# KiCad board insequor58top.kicad_pcb
title: insequor58top; rev: v1.0.0; company: Unknown
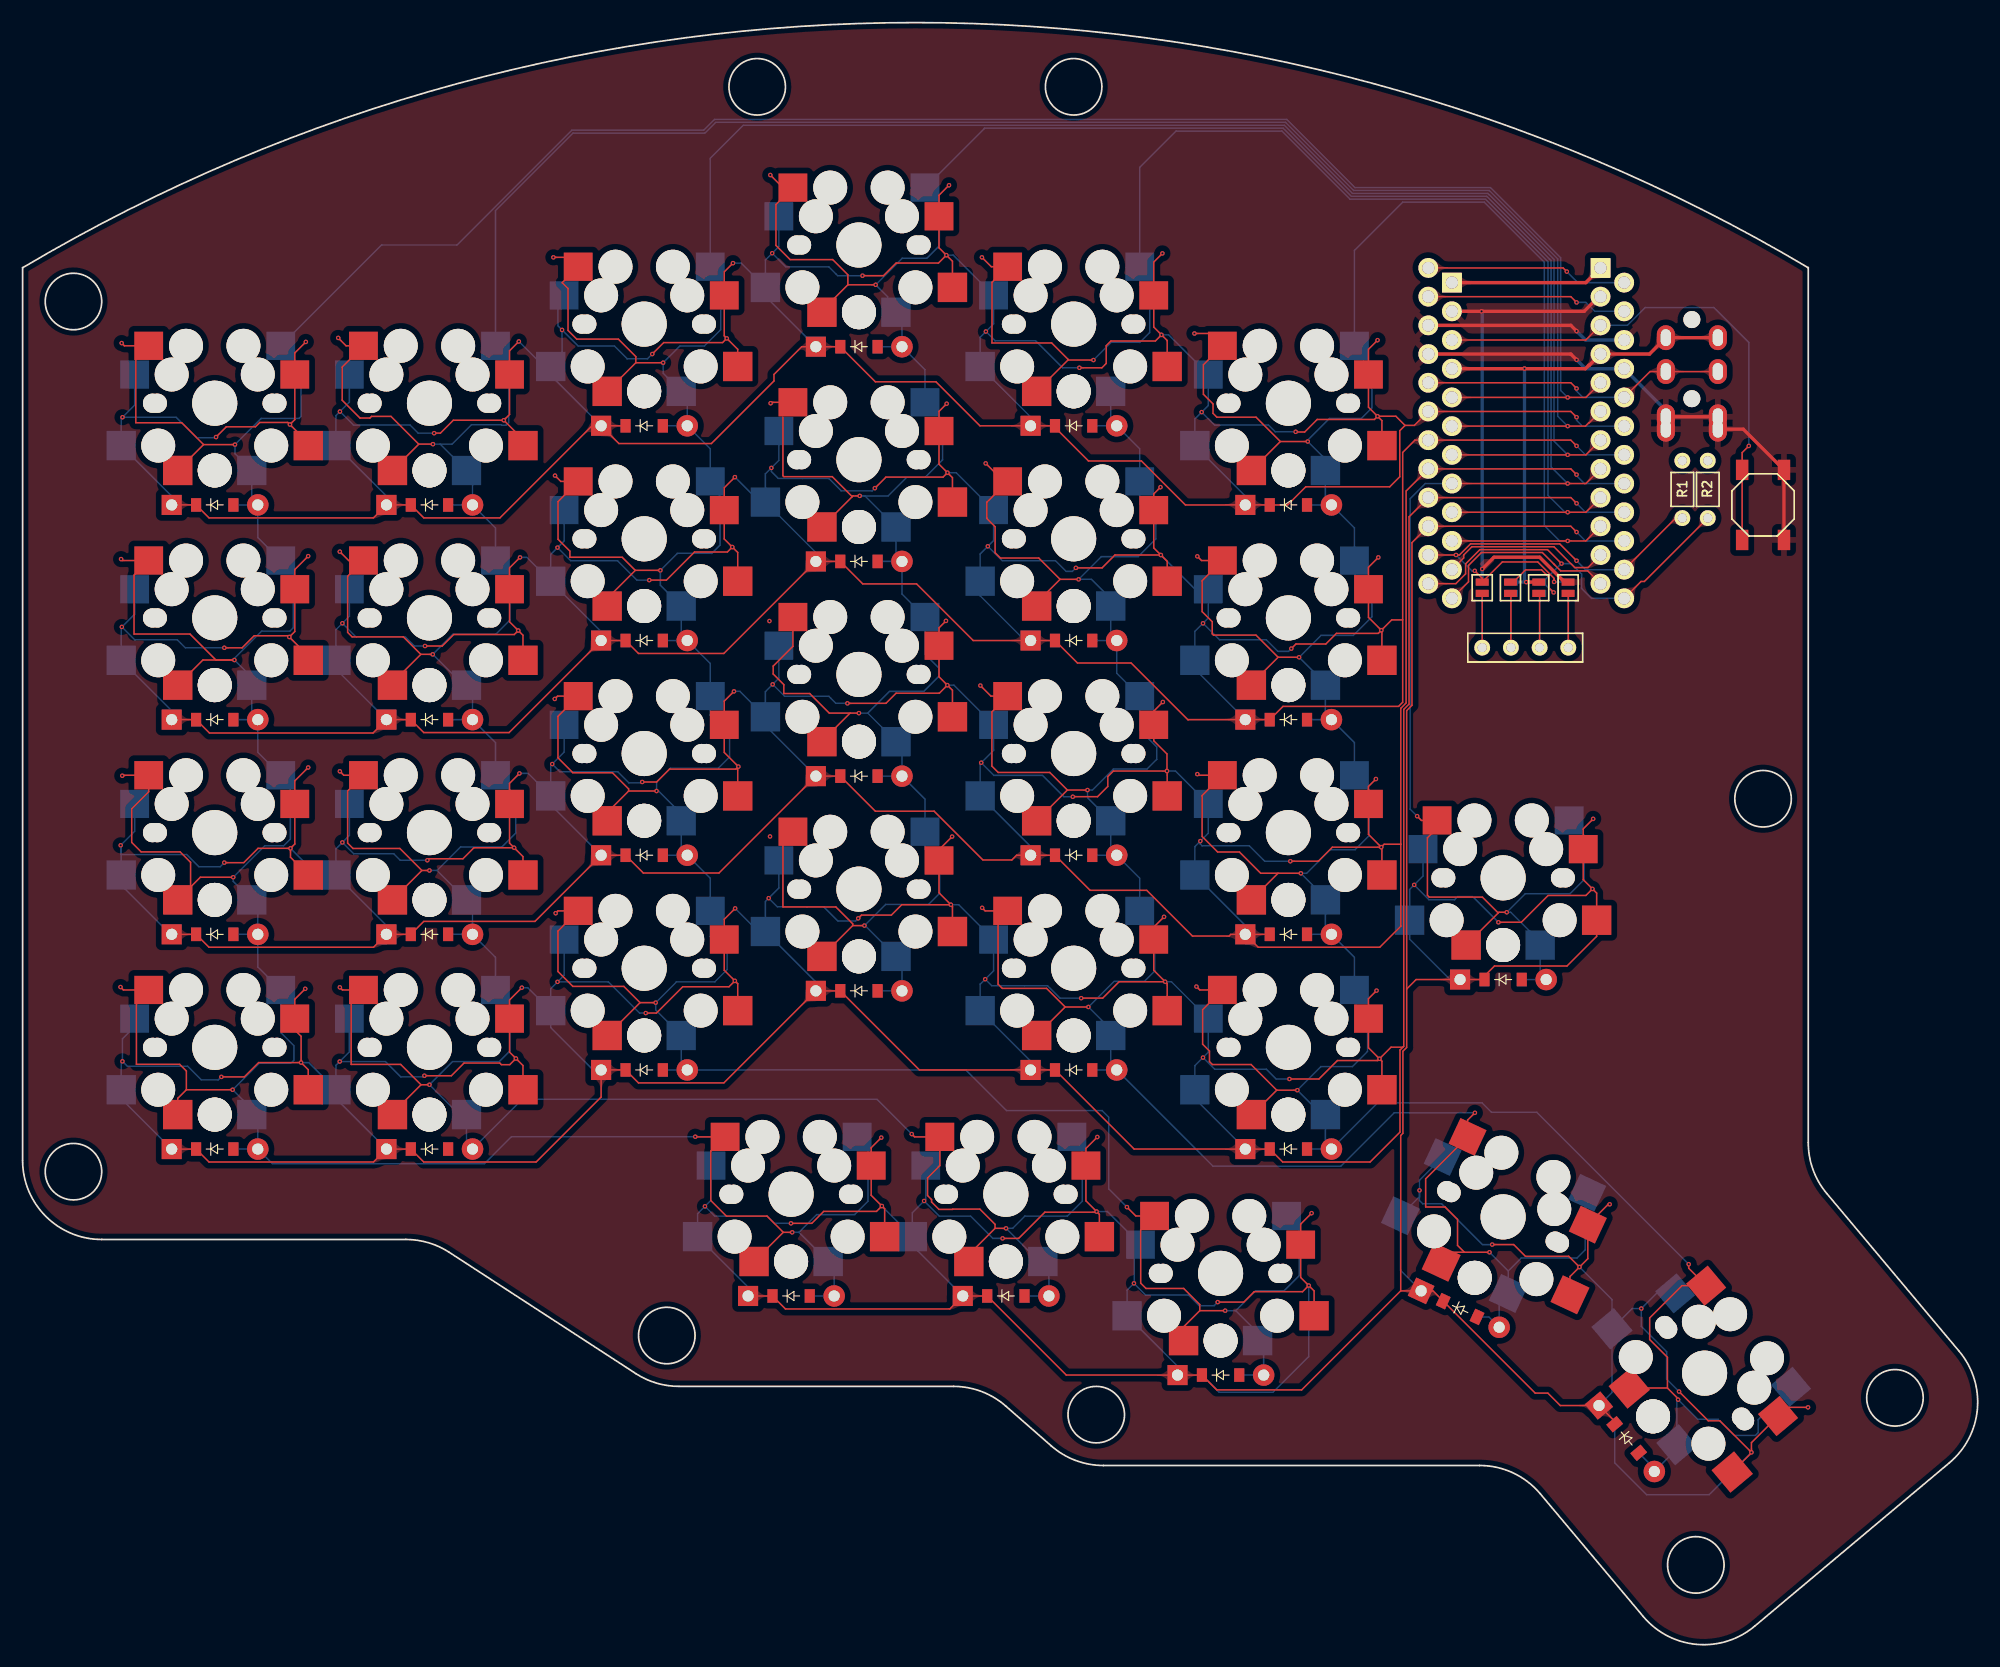
[diagram p0: board, top side]
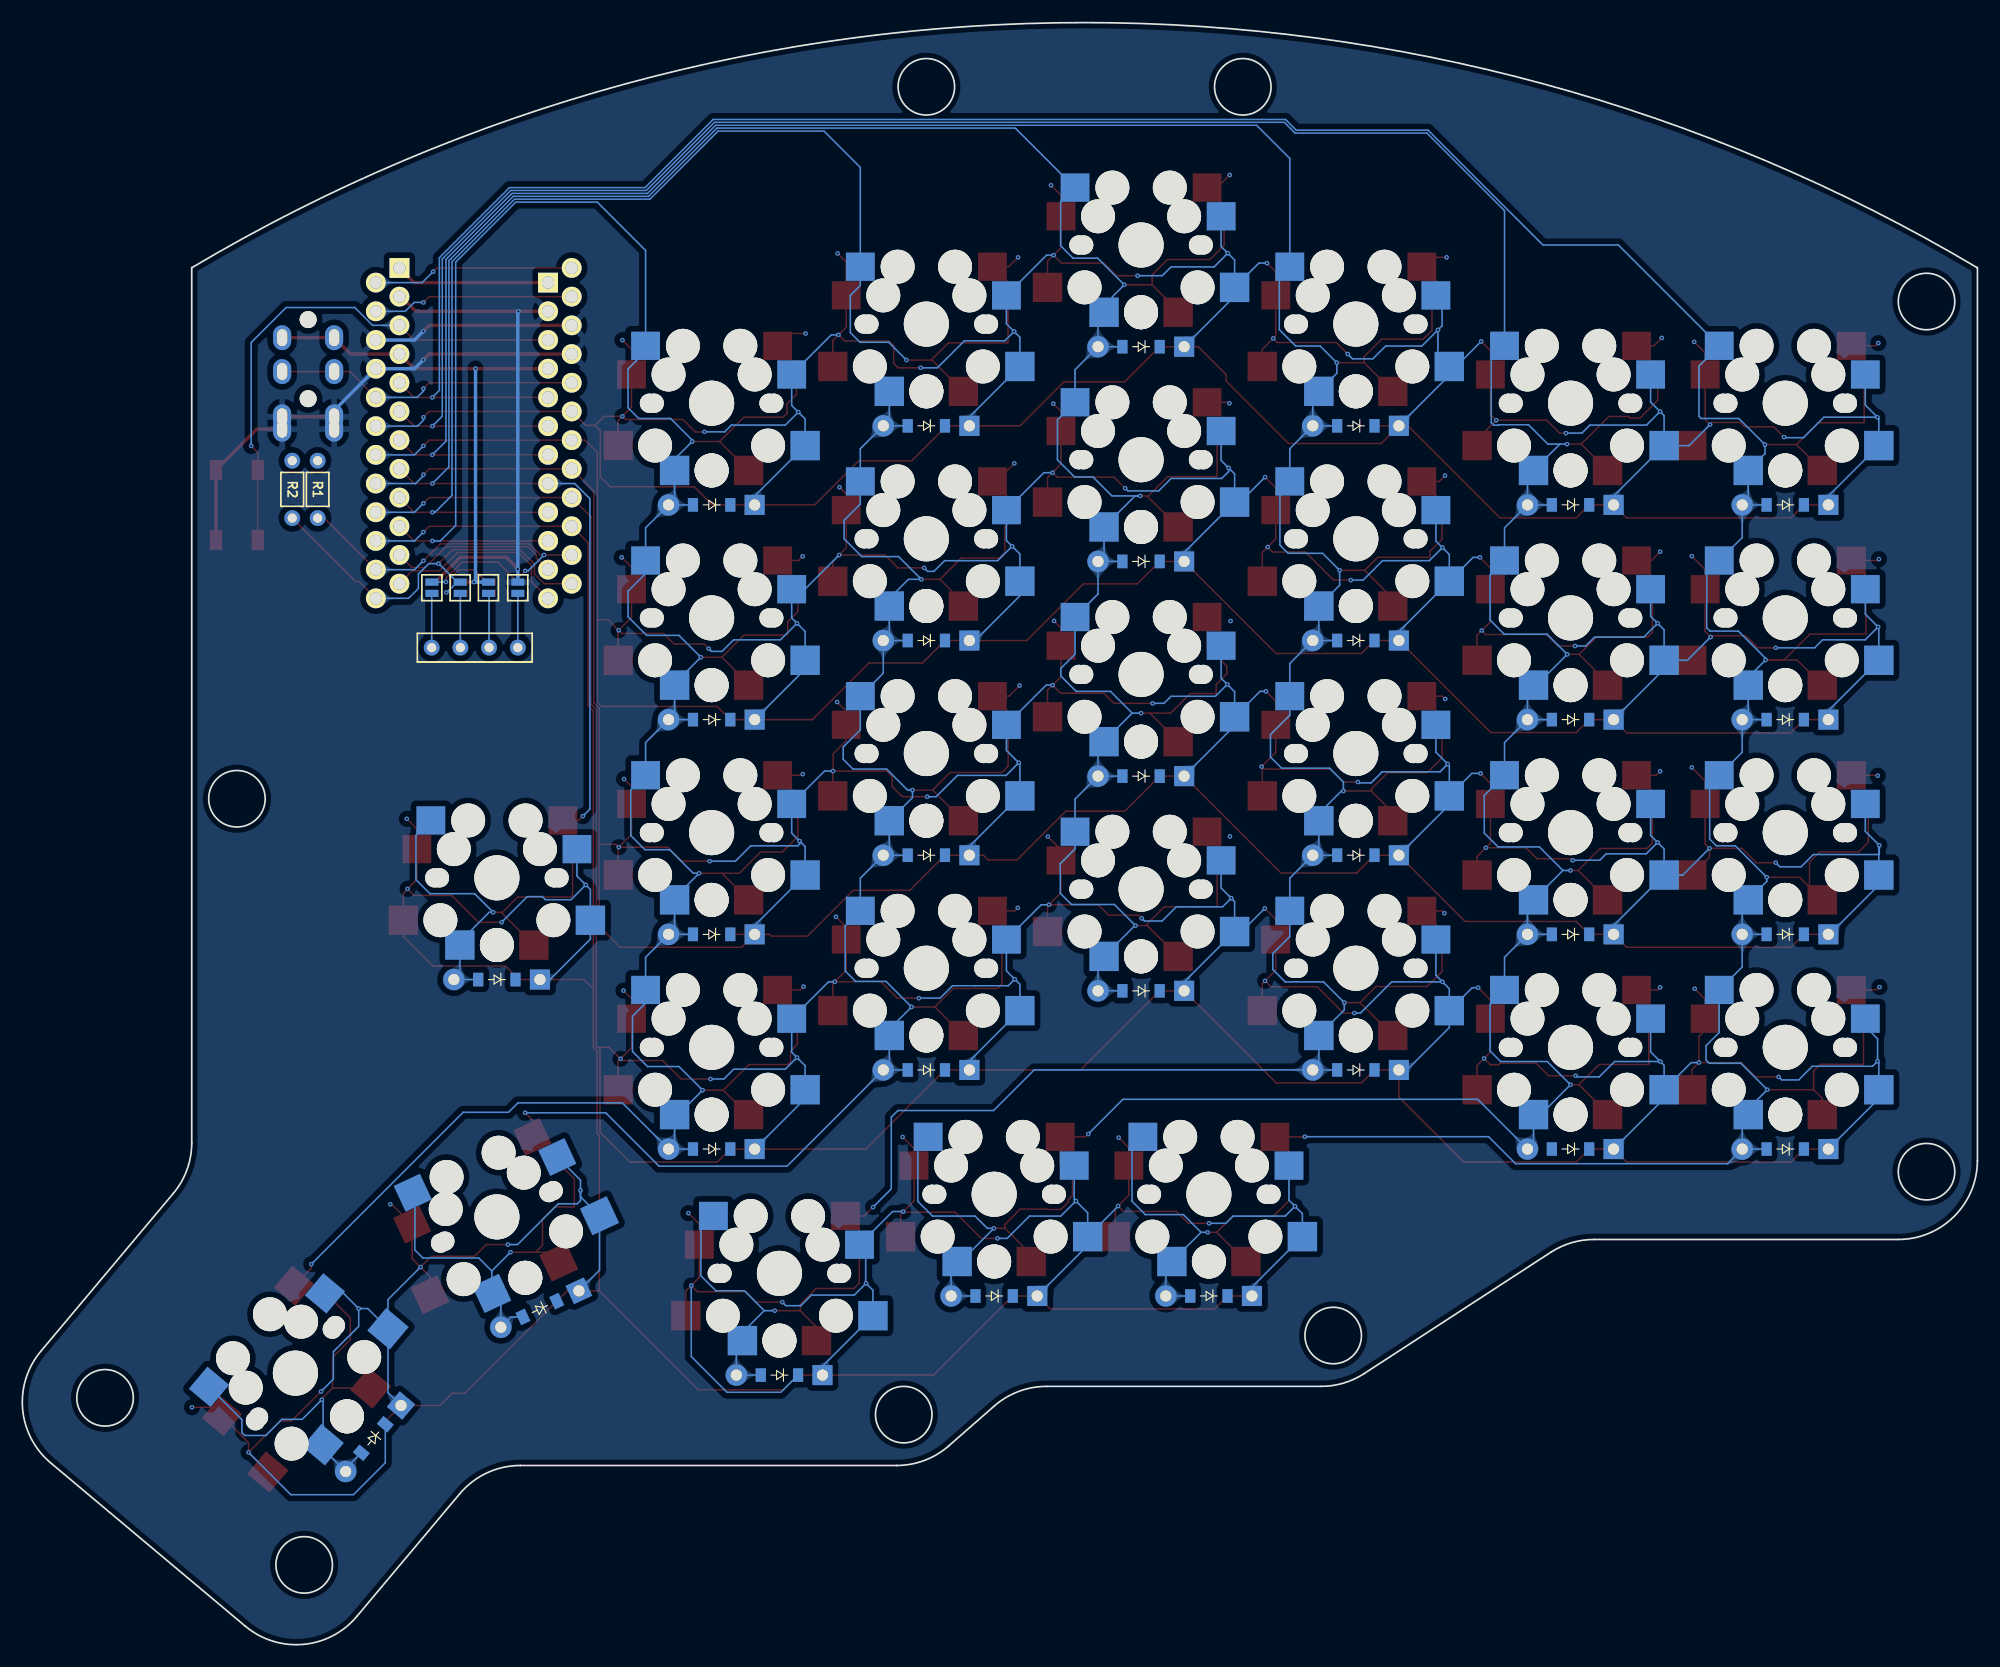
[diagram p1: board, bottom side, seen from below]

Outline 172.96 x 143.51 mm; copper layers: Top, Bottom. Coordinates in mm from the lower left corner of the outline.
Outline path: circle c4.5,118.83 r2.5 ; circle c4.5,41.83 r2.5 ; circle c57,27.33 r2.5 ; circle c65,137.83 r2.5 ; circle c93,137.83 r2.5 ; circle c95,20.33 r2.5 ; circle c148.05,7.03 r2.5 ; circle c154,74.83 r2.5 ; circle c165.67,21.82 r2.5 ; 0,42.83 0,121.83 0.03,121.83 arc(79,143.51) 157.97,121.83 158,121.83 158,44.4 arc(158.42,42) 159.64,39.9 171.35,25.94 arc(172.96,20.83) 170.49,16.07 153.25,1.61 arc(148.15,0) 143.39,2.47 134.28,13.33 arc(131.88,15.18) 128.92,15.83 95.63,15.83 arc(93.17,16.28) 91.02,17.56 86.98,21.1 arc(84.83,22.38) 82.37,22.83 58.08,22.83 arc(56.09,23.12) 54.26,23.96 37.74,34.7 arc(35.91,35.54) 33.92,35.83 7,35.83 arc(2.05,37.88) 0,42.83

## Placement (name value [footprint] x y rotation side)
B1  -  [SW_TACT_ALPS_SKQGABE010]  154 100.83 270 top
D1  -  [ComboDiode]  17 43.83 0 top
D2  -  [ComboDiode]  17 62.83 0 top
D3  -  [ComboDiode]  17 81.83 0 top
D4  -  [ComboDiode]  17 100.83 0 top
D5  -  [ComboDiode]  36 43.83 0 top
D6  -  [ComboDiode]  36 62.83 0 top
D7  -  [ComboDiode]  36 81.83 0 top
D8  -  [ComboDiode]  36 100.83 0 top
D9  -  [ComboDiode]  55 50.83 0 top
D10  -  [ComboDiode]  55 69.83 0 top
D11  -  [ComboDiode]  55 88.83 0 top
D12  -  [ComboDiode]  55 107.83 0 top
D13  -  [ComboDiode]  74 57.83 0 top
D14  -  [ComboDiode]  74 76.83 0 top
D15  -  [ComboDiode]  74 95.83 0 top
D16  -  [ComboDiode]  74 114.83 0 top
D17  -  [ComboDiode]  93 50.83 0 top
D18  -  [ComboDiode]  93 69.83 0 top
D19  -  [ComboDiode]  93 88.83 0 top
D20  -  [ComboDiode]  93 107.83 0 top
D21  -  [ComboDiode]  112 43.83 0 top
D22  -  [ComboDiode]  112 62.83 0 top
D23  -  [ComboDiode]  112 81.83 0 top
D24  -  [ComboDiode]  112 100.83 0 top
D25  -  [ComboDiode]  68 30.83 0 top
D26  -  [ComboDiode]  87 30.83 0 top
D27  -  [ComboDiode]  106 23.83 0 top
D28  -  [ComboDiode]  131 58.83 0 top
D29  -  [ComboDiode]  127.2 29.67 335 top
D30  -  [ComboDiode]  141.93 18.22 310 top
J3  OLED  [OLED_4Pin]  129.15 88.2 0 top
JP1  -  [Jumper]  136.75 93.5 90 top
JP1#2  -  [Jumper]  129.15 93.5 90 bottom
JP2  -  [Jumper]  134.15 93.5 90 top
JP2#2  -  [Jumper]  131.75 93.5 90 bottom
JP3  -  [Jumper]  131.65 93.5 90 top
JP3#2  -  [Jumper]  134.25 93.5 90 bottom
JP4  -  [Jumper]  129.15 93.5 90 top
JP4#2  -  [Jumper]  136.75 93.5 90 bottom
MCU1  -  [ProMicro#2]  132 107.83 270 top
MCU2  -  [ProMicro]  134.09 106.53 270 top
R1  R  [RESISTOR_mini]  146.86 102.21 270 top
R2  R  [RESISTOR_mini]  149.11 102.21 270 top
REF**  -  [TRRS-PJ-320A-dual]  150 118.83 0 top
S1  -  [PG1350]  17 52.83 180 top
S2  -  [MX]  17 52.83 0 top
S3  -  [PG1350]  17 71.83 180 top
S4  -  [MX]  17 71.83 0 top
S5  -  [PG1350]  17 90.83 180 top
S6  -  [MX]  17 90.83 0 top
S7  -  [PG1350]  17 109.83 180 top
S8  -  [MX]  17 109.83 0 top
S9  -  [PG1350]  36 52.83 180 top
S10  -  [MX]  36 52.83 0 top
S11  -  [PG1350]  36 71.83 180 top
S12  -  [MX]  36 71.83 0 top
S13  -  [PG1350]  36 90.83 180 top
S14  -  [MX]  36 90.83 0 top
S15  -  [PG1350]  36 109.83 180 top
S16  -  [MX]  36 109.83 0 top
S17  -  [PG1350]  55 59.83 180 top
S18  -  [MX]  55 59.83 0 top
S19  -  [PG1350]  55 78.83 180 top
S20  -  [MX]  55 78.83 0 top
S21  -  [PG1350]  55 97.83 180 top
S22  -  [MX]  55 97.83 0 top
S23  -  [PG1350]  55 116.83 180 top
S24  -  [MX]  55 116.83 0 top
S25  -  [PG1350]  74 66.83 180 top
S26  -  [MX]  74 66.83 0 top
S27  -  [PG1350]  74 85.83 180 top
S28  -  [MX]  74 85.83 0 top
S29  -  [PG1350]  74 104.83 180 top
S30  -  [MX]  74 104.83 0 top
S31  -  [PG1350]  74 123.83 180 top
S32  -  [MX]  74 123.83 0 top
S33  -  [PG1350]  93 59.83 180 top
S34  -  [MX]  93 59.83 0 top
S35  -  [PG1350]  93 78.83 180 top
S36  -  [MX]  93 78.83 0 top
S37  -  [PG1350]  93 97.83 180 top
S38  -  [MX]  93 97.83 0 top
S39  -  [PG1350]  93 116.83 180 top
S40  -  [MX]  93 116.83 0 top
S41  -  [PG1350]  112 52.83 180 top
S42  -  [MX]  112 52.83 0 top
S43  -  [PG1350]  112 71.83 180 top
S44  -  [MX]  112 71.83 0 top
S45  -  [PG1350]  112 90.83 180 top
S46  -  [MX]  112 90.83 0 top
S47  -  [PG1350]  112 109.83 180 top
S48  -  [MX]  112 109.83 0 top
S49  -  [PG1350]  68 39.83 180 top
S50  -  [MX]  68 39.83 0 top
S51  -  [PG1350]  87 39.83 180 top
S52  -  [MX]  87 39.83 0 top
S53  -  [PG1350]  106 32.83 180 top
S54  -  [MX]  106 32.83 0 top
S55  -  [PG1350]  131 67.83 180 top
S56  -  [MX]  131 67.83 0 top
S57  -  [PG1350]  131 37.83 155 top
S58  -  [MX]  131 37.83 335 top
S59  -  [PG1350#2]  148.83 24 130 top
S60  -  [MX]  148.83 24 310 top

## Footprints (pads in the part's own frame, mm; a bottom-side part is the same pattern mirrored in y, then rotated)
ComboDiode
  rect 0.9x1.2 smd: 1(-1.65,0) 2(1.65,0)
  rect 0.9x1.2 smd far side: 1(-1.65,0) 2(1.65,0)
  round 1.905 hole 0.991: 1(3.81,0)
  rect 1.778x1.778 hole 0.991: 2(-3.81,0)
Jumper
  rect 0.635x1.143 smd: 1(-0.5,0) 2(0.5,0)
MX
  round 1.702 hole 1.702 unplated: (-5.08,0) (5.08,0)
  round 3 hole 3 unplated: (-3.81,2.54) (-2.54,5.08) (2.54,5.08) (3.81,2.54)
  round 3.988 hole 3.988 unplated: (0,0)
  rect 2.55x2.5 smd far side: 1(-7.085,2.54) 2(5.842,5.08)
  rect 2.55x2.5 smd: 1(7.085,2.54) 2(-5.842,5.08)
OLED_4Pin
  round 1.397 hole 0.813: 1(0,0) 2(2.54,0) 3(5.08,0) 4(7.62,0)
PG1350
  round 1.702 hole 1.702 unplated: (-5.5,0) (5.5,0)
  round 3 hole 3 unplated: (-5,3.75) (0,5.95) (0,5.95) (5,3.75)
  round 3.429 hole 3.429 unplated: (0,0)
  rect 2.6x2.6 smd far side: 1(-3.275,5.95) 2(8.275,3.75)
  rect 2.6x2.6 smd: 1(3.275,5.95) 2(-8.275,3.75)
PG1350#2
  round 1.702 hole 1.702 unplated: (-5.5,0) (5.5,0)
  round 3 hole 3 unplated: (-5,3.75) (0,5.95) (0,5.95) (5,3.75)
  round 3.429 hole 3.429 unplated: (0,0)
  rect 2.6x2.6 smd far side: 1(-3.275,5.95) 2(8.275,3.75)
  rect 2.6x2.6 smd: 1(3.275,5.95) 2(-8.275,3.75)
ProMicro
  rect 1.753x1.753 hole 1.092: 1(-13.97,-7.62)
  round 1.753 hole 1.092: 2(-11.43,-7.62) 3(-8.89,-7.62) 4(-6.35,-7.62) 5(-3.81,-7.62) 6(-1.27,-7.62) 7(1.27,-7.62) 8(3.81,-7.62) 9(6.35,-7.62) 10(8.89,-7.62) 11(11.43,-7.62) 12(13.97,-7.62) 13(-13.97,7.62) 14(-11.43,7.62) 15(-8.89,7.62) 16(-6.35,7.62) 17(-3.81,7.62) 18(-1.27,7.62) 19(1.27,7.62) 20(3.81,7.62) 21(6.35,7.62) 22(8.89,7.62) 23(11.43,7.62) 24(13.97,7.62)
ProMicro#2
  rect 1.753x1.753 hole 1.092: 1(-13.97,7.62)
  round 1.753 hole 1.092: 2(-11.43,7.62) 3(-8.89,7.62) 4(-6.35,7.62) 5(-3.81,7.62) 6(-1.27,7.62) 7(1.27,7.62) 8(3.81,7.62) 9(6.35,7.62) 10(8.89,7.62) 11(11.43,7.62) 12(13.97,7.62) 13(-13.97,-7.62) 14(-11.43,-7.62) 15(-8.89,-7.62) 16(-6.35,-7.62) 17(-3.81,-7.62) 18(-1.27,-7.62) 19(1.27,-7.62) 20(3.81,-7.62) 21(6.35,-7.62) 22(8.89,-7.62) 23(11.43,-7.62) 24(13.97,-7.62)
RESISTOR_mini
  round 1.397 hole 0.813: 1(-2.54,0) 2(2.54,0)
SW_TACT_ALPS_SKQGABE010
  rect 1.8x1.1 smd: 1(-3.1,1.85) 1(3.1,1.85) 2(-3.1,-1.85) 2(3.1,-1.85)
TRRS-PJ-320A-dual
  round 1.5 hole 1.5 unplated: (-2.3,-1.6) (-2.3,-8.6)
  oval 1.6x2.2 hole 0.9x1.5: 1(-4.6,-11.3) 1(0,-11.3) 2(-4.6,-10.2) 2(0,-10.2) 3(-4.6,-6.2) 3(0,-6.2) 4(-4.6,-3.2) 4(0,-3.2)

## Nets
GND: B1.1 JP1.2 JP1#2.2 MCU1.2 MCU1.15 MCU1.16 MCU2.2 MCU2.15 MCU2.16 REF**.1 REF**.2
VCC: JP2.2 JP2#2.2 MCU1.4 MCU2.4 R1.1 R2.1 REF**.4
P0: MCU1.14 MCU2.14
P1: MCU1.13 MCU2.13
P2: MCU1.17 MCU2.17 REF**.3
P3: MCU1.18 MCU2.18 S7.2 S8.1 S15.2 S16.1 S23.2 S24.1 S31.2 S32.1 S39.2 S40.1 S47.2 S48.1
P4: MCU1.19 MCU2.19 S5.2 S6.1 S13.2 S14.1 S21.2 S22.1 S29.2 S30.1 S37.2 S38.1 S45.2 S46.1
P5: MCU1.20 MCU2.20 S3.2 S4.1 S11.2 S12.1 S19.2 S20.1 S27.2 S28.1 S35.2 S36.1 S43.2 S44.1
P6: MCU1.21 MCU2.21 S1.2 S2.1 S9.2 S10.1 S17.2 S18.1 S25.2 S26.1 S33.2 S34.1 S41.2 S42.1
P7: MCU1.22 MCU2.22 S49.2 S50.1 S51.2 S52.1 S53.2 S54.1 S55.2 S56.1 S57.2 S58.1 S59.2 S60.1
P8: JP4.2 JP4#2.2 MCU1.23 MCU2.23 R1.2
P9: JP3.2 JP3#2.2 MCU1.24 MCU2.24 R2.2
P10: MCU1.12 MCU2.12
P14: MCU1.10 MCU2.10 S41.1 S42.2 S43.1 S44.2 S45.1 S46.2 S47.1 S48.2 S59.1 S60.2
P14|P3: D24.1 D24.2
P14|P4: D23.1 D23.2
P14|P5: D22.1 D22.2
P14|P6: D21.1 D21.2
P14|P7: D30.1 D30.2
P15: MCU1.9 MCU2.9 S33.1 S34.2 S35.1 S36.2 S37.1 S38.2 S39.1 S40.2 S57.1 S58.2
P15|P3: D20.1 D20.2
P15|P4: D19.1 D19.2
P15|P5: D18.1 D18.2
P15|P6: D17.1 D17.2
P15|P7: D29.1 D29.2
P16: MCU1.11 MCU2.11
P18: MCU1.8 MCU2.8 S25.1 S26.2 S27.1 S28.2 S29.1 S30.2 S31.1 S32.2 S55.1 S56.2
P18|P3: D16.1 D16.2
P18|P4: D15.1 D15.2
P18|P5: D14.1 D14.2
P18|P6: D13.1 D13.2
P18|P7: D28.1 D28.2
P19: MCU1.7 MCU2.7 S17.1 S18.2 S19.1 S20.2 S21.1 S22.2 S23.1 S24.2 S53.1 S54.2
P19|P3: D12.1 D12.2
P19|P4: D11.1 D11.2
P19|P5: D10.1 D10.2
P19|P6: D9.1 D9.2
P19|P7: D27.1 D27.2
P20: MCU1.6 MCU2.6 S9.1 S10.2 S11.1 S12.2 S13.1 S14.2 S15.1 S16.2 S51.1 S52.2
P20|P3: D8.1 D8.2
P20|P4: D7.1 D7.2
P20|P5: D6.1 D6.2
P20|P6: D5.1 D5.2
P20|P7: D26.1 D26.2
P21: MCU1.5 MCU2.5 S1.1 S2.2 S3.1 S4.2 S5.1 S6.2 S7.1 S8.2 S49.1 S50.2
P21|P3: D4.1 D4.2
P21|P4: D3.1 D3.2
P21|P5: D2.1 D2.2
P21|P6: D1.1 D1.2
P21|P7: D25.1 D25.2
RAW: MCU1.1 MCU2.1
RST: B1.2 MCU1.3 MCU2.3

Pads without a net: J3 1 2 3 4; JP1 1; JP1#2 1; JP2 1; JP2#2 1; JP3 1; JP3#2 1; JP4 1; JP4#2 1

## Via types
v1: diameter 0.4, hole 0.2, Top to Bottom, 207 vias

## Routing (per net, layer and track width the routed paths; a pad name or vN(x,y) marks a point on that pad's centre or on a via; arc(x,y) is an arc through that point)
GND: length 106.3
  Top w0.3: REF**.1 152.25,107.53 B1.1 B1.1 ; REF**.2 REF**.2 ; JP1.2 136.43,94 134.23,96.2 130.19,96.2 v1(129.15,95.16) ; MCU1.2 139.47,119.26 138.17,117.96 v1(129.09,117.96) MCU2.2 ; v1(137.5,116.21) 136.99,116.72 MCU1.15 ; v1(137.5,113.67) 136.99,114.18 MCU1.16
  Bottom w0.3: REF**.2 145.4,109.19 MCU2.16 138.29,112.88 v1(137.5,113.67) ; JP1#2.2 v1(129.15,95.16) 129.15,117.91 v1(129.09,117.96) ; MCU2.15 138.29,115.42 v1(137.5,116.21)
VCC: length 46
  Top w0.3: REF**.4 REF**.4 143.95,114.18 MCU1.4 138.63,113.19 138.59,113.19 138.28,112.88 MCU2.4 ; JP2.2 133.04,94 v1(133.04,94)
  Bottom w0.3: v1(132.89,112.9) 132.89,94.15 v1(133.04,94) 133.04,94 JP2#2.2
(no net): length 38.5
  Top w0.13: JP1.1 136.77,92.98 J3.4 ; JP2.1 134.23,92.92 J3.3 ; J3.1 JP4.1 ; J3.2 131.69,92.96 JP3.1
  Bottom w0.13: JP2#2.1 131.69,92.94 J3.2 ; J3.4 136.77,92.98 JP1.1 ; J3.1 JP4.1 ; J3.3 134.23,92.98 JP3#2.1
P0: length 17.9
  Top w0.13: MCU1.14 136.99,119.26 v1(137.5,118.75)
  Bottom w0.13: MCU2.14 139.11,117.96 138.32,118.75 v1(137.5,118.75)
P1: length 17.9
  Top w0.13: v1(136.64,121.48) 136.31,121.8 MCU1.13
  Bottom w0.13: MCU2.13 137.61,120.5 v1(136.64,121.48)
P2: length 27.2
  Top w0.13: REF**.3 REF**.3 144,112.63 MCU2.17 ; v1(137.5,111.13) 136.99,111.64 MCU1.17
  Bottom w0.13: MCU2.17 138.05,110.34 137.5,110.9 v1(137.5,111.13)
P3: length 426
  Top w0.13: v1(62.31,115.57) 62.08,115.79 62.08,121.46 v1(62.86,122.23) ; v1(62.31,115.57) 61.94,115.2 56.73,115.2 v1(55.71,114.18) ; v1(62.31,115.57) 63.28,114.6 S23.2 ; v1(42.58,108.32) 44.28,106.62 S15.2 ; v1(42.58,108.32) 38.11,108.32 36.97,107.18 v1(36.41,107.18) ; v1(42.58,108.32) 43.08,108.83 43.08,114.47 v1(43.91,115.3) ; v1(100.77,115.88) 100.23,115.34 96.3,115.34 95.88,114.92 95.88,113.35 95.5,112.97 v1(93.51,112.97) ; v1(100.77,115.88) 101.28,115.38 S39.2 ; v1(100.77,115.88) 100.08,116.57 100.08,122.32 v1(100.85,123.09) ; v1(81.74,122.93) 81.08,123.58 81.08,128.24 v1(81.97,129.12) ; v1(81.74,122.93) 82.28,122.39 S31.2 ; v1(81.74,122.93) 81.03,122.23 77.29,122.23 76.17,121.12 v1(74.31,121.12) ; v1(23.65,107.95) 24.08,108.38 24.08,114.28 v1(25.06,115.26) ; v1(23.65,107.95) 25.28,106.32 S7.2 ; v1(23.65,107.95) 23.47,108.13 20.98,108.13 20.6,107.75 18.02,107.75 v1(17.11,106.84) ; 122.32,107.87 121.85,107.4 121.85,103.32 120.97,102.43 113.54,102.43 111.93,100.83 110.35,100.83 108.19,100.83 102.89,100.83 98.99,104.73 94.3,104.73 91.35,107.68 91.35,107.83 89.19,107.83 84.71,107.83 80.81,111.73 75.45,111.73 72.35,114.83 70.19,114.83 68.94,114.83 66.48,112.37 66.48,111.8 60.94,106.26 52.76,106.26 51.19,107.83 ; 122.32,107.87 121.52,108.67 v1(119.89,108.67) ; 122.32,107.87 123.14,107.87 MCU1.18 136.99,109.1 v1(137.5,108.59) ; S47.2 120.28,108.29 v1(119.89,108.67) ; v1(119.89,108.67) 119.61,108.4 114.55,108.4 113.44,107.28 112.66,107.28 v1(112.64,107.3) ; v1(119.89,108.67) 119.08,109.48 119.08,114.61 v1(119.89,115.41) ; 51.19,107.83 53.35,107.83 ; 51.19,107.83 50.38,107.83 42.24,99.69 35.49,99.69 34.35,100.83 32.19,100.83 31.05,99.69 16.49,99.69 15.35,100.83 13.19,100.83
  Bottom w0.13: v1(85.23,116.18) 86.06,115.35 89.63,115.35 92.02,112.97 v1(93.51,112.97) ; v1(85.23,116.18) 85.92,116.86 S40.1 82.35,122.93 v1(81.74,122.93) ; v1(85.23,116.18) 84.73,115.67 S39.2 89.19,108.62 89.19,107.83 ; S8.1 9.92,109.66 v1(8.84,108.59) ; v1(104.33,109.04) 103.73,108.44 S47.2 108.19,101.62 108.19,100.83 ; v1(104.33,109.04) 105.47,107.9 110.24,107.9 110.84,107.3 v1(112.64,107.3) ; v1(104.33,109.04) 104.92,109.63 S48.1 101.4,115.88 v1(100.77,115.88) ; v1(66.33,123.11) 66.92,123.7 S32.1 ; v1(66.33,123.11) 65.73,122.51 S31.2 ; v1(66.33,123.11) 67.53,121.9 71.34,121.9 72.12,121.12 v1(74.31,121.12) ; 70.19,114.83 65.73,119.3 S31.2 ; v1(28.08,109.1) 29.28,107.9 34.29,107.9 35,107.18 v1(36.41,107.18) ; v1(28.08,109.1) 27.73,108.74 S15.2 ; v1(28.08,109.1) 28.92,109.93 S16.1 ; S23.2 46.12,113.08 v1(43.91,115.3) ; S23.2 47.59,113.08 47.73,113.22 v1(47.73,116.32) ; S23.2 46.73,112.3 51.19,107.83 ; v1(137.5,108.59) 137.5,108.32 138.02,107.8 MCU2.18 ; v1(8.84,108.59) 13.58,108.59 15.39,106.78 17.06,106.78 v1(17.11,106.84) ; v1(8.84,108.59) 8.73,108.47 S7.2 13.19,101.62 13.19,100.83 ; v1(62.86,122.23) 63.58,122.23 S31.2 ; 55.84,114.31 v1(55.71,114.18) 55.29,113.76 53.49,113.76 52.36,114.9 49.15,114.9 v1(47.73,116.32) ; v1(47.73,116.32) 47.37,116.68 47.37,118.82 S24.1 ; 32.19,100.83 32.19,101.62 S15.2 ; S15.2 25.51,106.08 v1(23.65,107.95)
P4: length 437.6
  Top w0.13: v1(119.96,96.19) 119.08,95.32 119.08,90.88 v1(120.22,89.74) ; v1(43.86,89.71) 44.28,89.3 S13.2 ; v1(43.86,89.71) 43.5,89.36 38.15,89.36 37.13,88.35 v1(35.6,88.35) ; v1(43.86,89.71) 43.08,90.49 43.08,95.26 v1(44.01,96.19) ; v1(55.45,94.18) 56.96,94.18 59.45,96.67 62.36,96.67 v1(62.8,97.1) ; v1(62.8,97.1) 62.08,97.82 62.08,102.35 v1(63.03,103.29) ; v1(62.8,97.1) 63.28,96.63 S21.2 ; v1(81.83,103.69) 81.44,103.29 76.39,103.29 v1(75.41,102.31) ; v1(81.83,103.69) 81.08,104.43 81.08,109.11 v1(81.76,109.79) ; v1(81.83,103.69) 82.28,103.24 S29.2 ; v1(23.6,89.14) 24.08,89.63 24.08,95.11 v1(25.27,96.3) ; v1(23.6,89.14) 25.28,87.47 S5.2 ; v1(23.6,89.14) 23.49,89.26 20.5,89.26 19.43,88.19 v1(17.85,88.19) ; 122.11,90.66 121.15,90.66 v1(120.22,89.74) ; 122.11,90.66 122.11,83.37 121.75,83 111.52,83 110.35,81.83 108.19,81.83 103.13,81.83 103.12,81.81 98.09,86.84 93.34,86.84 91.35,88.83 89.19,88.83 84.11,88.83 79.1,93.84 74.34,93.84 72.35,95.83 70.19,95.83 62.05,87.69 54.49,87.69 53.35,88.83 51.19,88.83 43.05,80.69 35.49,80.69 34.35,81.83 32.19,81.83 31.01,80.65 16.53,80.65 15.35,81.83 13.19,81.83 ; 122.11,90.66 122.11,105.48 123.2,106.56 MCU1.19 136.99,106.56 v1(137.5,106.05) ; v1(100.72,96.4) 96.65,96.4 95.51,95.26 v1(93.19,95.26) ; v1(100.72,96.4) 100.08,97.03 100.08,101.81 v1(100.68,102.4) ; v1(100.72,96.4) 101.28,95.84 S37.2 ; v1(120.22,89.74) 119.95,89.47 116.25,89.47 115.31,88.52 112.66,88.52 v1(112.26,88.12) ; v1(120.22,89.74) 120.28,89.69 S45.2
  Bottom w0.13: S30.1 66.92,104.77 v1(66.25,104.11) ; v1(63.03,103.29) 65.24,101.08 S29.2 ; v1(28.29,90.36) 27.73,89.79 S13.2 ; v1(28.29,90.36) 29.52,89.13 33.88,89.13 34.66,88.35 v1(35.6,88.35) ; v1(28.29,90.36) 28.92,90.98 S14.1 ; S6.1 9.92,91.17 v1(8.78,90.04) ; v1(66.25,104.11) 66.25,103.78 66.86,103.17 71.34,103.17 72.43,102.08 75.18,102.08 v1(75.41,102.31) ; v1(66.25,104.11) 65.73,103.58 S29.2 ; S21.2 46.73,96.45 v1(47.33,97.06) ; S21.2 51.19,89.62 51.19,88.83 ; S21.2 44.62,96.19 v1(44.01,96.19) ; v1(55.45,94.18) 54.35,94.18 52.63,95.9 48.49,95.9 v1(47.33,97.06) ; v1(23.6,89.14) 25.66,87.08 S13.2 ; v1(8.78,90.04) 8.73,89.98 S5.2 13.19,82.62 13.19,81.83 ; v1(8.78,90.04) 9.92,88.9 13.69,88.9 14.4,88.19 v1(17.85,88.19) ; 32.19,81.83 27.73,86.3 S13.2 ; 108.19,81.83 103.73,86.3 S45.2 103.73,89.64 v1(104.45,90.36) ; v1(85.41,97.17) 85.92,97.68 S38.1 82.6,103.69 v1(81.83,103.69) ; v1(85.41,97.17) 86.68,95.9 91.38,95.9 92.33,94.95 92.88,94.95 v1(93.19,95.26) ; v1(85.41,97.17) 84.73,96.49 S37.2 84.73,92.79 88.68,88.83 89.19,88.83 ; v1(47.33,97.06) 47.92,97.64 S22.1 ; S29.2 70.19,96.62 70.19,95.83 ; v1(104.45,90.36) 104.92,90.83 S46.1 103.74,93.37 v1(100.72,96.4) ; v1(104.45,90.36) 105.91,88.9 110.05,88.9 111.07,87.87 112.01,87.87 v1(112.26,88.12) 112.33,88.19 ; MCU2.19 138.29,105.26 v1(137.5,106.05)
P5: length 456.7
  Top w0.13: v1(23.7,70.44) 20.83,70.44 19.57,69.18 v1(17.85,69.18) ; v1(23.7,70.44) 23.7,69.65 S3.2 ; v1(23.7,70.44) 24.08,70.83 24.08,76.41 v1(25.27,77.6) ; 121.95,70.8 121.95,63.55 120.08,61.69 109.33,61.69 108.19,62.83 ; 121.95,70.8 120.47,70.8 v1(120.22,70.55) ; 121.95,70.8 121.95,82.84 122.42,83.31 122.42,102.06 MCU1.20 136.99,104.02 v1(137.5,103.51) ; v1(101.26,77.28) 96.51,77.28 96.02,76.79 96.02,75.92 95.12,75.01 92.93,75.01 v1(92.92,75.01) ; v1(101.26,77.28) 101.28,77.26 S35.2 ; v1(101.26,77.28) 101.26,78.8 100.08,79.97 100.08,82.58 v1(100.89,83.39) ; v1(120.22,70.55) 115.89,70.55 114.65,69.3 v1(112.17,69.3) ; v1(120.22,70.55) 120.28,70.49 S43.2 ; v1(120.22,70.55) 119.08,71.68 119.08,75.92 v1(119.75,76.58) ; v1(54.82,76.31) 56.1,76.31 57.24,77.45 63.11,77.45 v1(63.34,77.67) ; S19.2 63.28,77.61 v1(63.34,77.67) ; 108.19,62.83 110.35,62.83 ; 108.19,62.83 106.91,62.83 106.75,62.68 103.51,62.68 99.46,66.73 94.45,66.73 91.35,69.83 89.19,69.83 87.95,69.83 87.53,69.42 84.97,69.42 80.66,73.73 75.45,73.73 72.35,76.83 70.19,76.83 61.62,68.26 54.92,68.26 53.35,69.83 51.19,69.83 45.33,63.98 35.49,63.98 34.35,62.83 32.19,62.83 31.05,61.69 16.49,61.69 15.35,62.83 13.19,62.83 ; v1(63.34,77.67) 62.08,78.93 62.08,83.47 v1(62.95,84.33) ; v1(35.81,69.39) 35.95,69.52 38.96,69.52 39.93,70.49 v1(43.49,70.49) ; v1(43.96,77.07) 43.08,76.2 43.08,70.9 v1(43.49,70.49) ; v1(43.49,70.49) 44.28,69.71 S11.2 ; S27.2 82.28,84.43 v1(81.83,84.88) ; v1(81.7,90.57) 81.08,89.95 81.08,85.62 v1(81.83,84.88) ; v1(72.98,83.27) 76.39,83.27 77.29,84.17 81.12,84.17 v1(81.83,84.88)
  Bottom w0.13: v1(104.21,71.08) 104.21,70.82 104.37,70.67 108.54,70.67 109.9,69.3 v1(112.17,69.3) ; v1(104.21,71.08) 103.73,70.6 S43.2 108.19,63.62 108.19,62.83 ; v1(104.21,71.08) 104.92,71.79 S44.1 102,77.28 v1(101.26,77.28) ; S27.2 65.73,84.31 v1(66.37,84.95) ; S27.2 63.47,84.33 v1(62.95,84.33) ; S27.2 65.73,81.3 70.19,76.83 ; v1(17.85,69.18) 17.48,68.81 15.6,68.81 14.51,69.9 8.68,69.9 8.68,69.9 v1(8.68,70.71) ; v1(46.86,77.9) 47.92,78.95 S20.1 ; v1(46.86,77.9) 46.73,77.76 S19.2 ; v1(46.86,77.9) 47.55,77.21 52.67,77.21 53.65,76.24 54.74,76.24 v1(54.82,76.31) ; 32.19,62.83 32.19,63.62 S11.2 ; v1(137.5,103.51) 137.5,103.41 138.2,102.71 138.21,102.72 MCU2.20 ; v1(84.82,78.02) 84.73,77.92 S35.2 89.19,70.62 89.19,69.83 ; v1(84.82,78.02) 85.92,79.11 S36.1 82.4,84.88 v1(81.83,84.88) ; v1(84.82,78.02) 85.94,76.9 90.25,76.9 92.14,75.01 v1(92.92,75.01) ; v1(23.7,70.44) 26.07,68.08 S11.2 ; S11.2 27.73,70.4 v1(28.29,70.97) ; v1(66.37,84.95) 66.92,85.5 S28.1 ; v1(66.37,84.95) 67.42,83.9 71.34,83.9 71.96,83.27 v1(72.98,83.27) ; v1(28.29,70.97) 29.3,69.96 32.84,69.96 33.41,69.39 v1(35.81,69.39) ; v1(28.29,70.97) 28.92,71.59 S12.1 ; v1(8.68,70.71) 9.92,71.95 S4.1 ; v1(8.68,70.71) 8.73,70.66 S3.2 8.73,67.19 13.08,62.83 13.19,62.83 ; S19.2 44.73,77.07 v1(43.96,77.07) ; S19.2 46.73,74.3 51.19,69.83